# KiCad board lpddr5-testbed.kicad_pcb (continued)
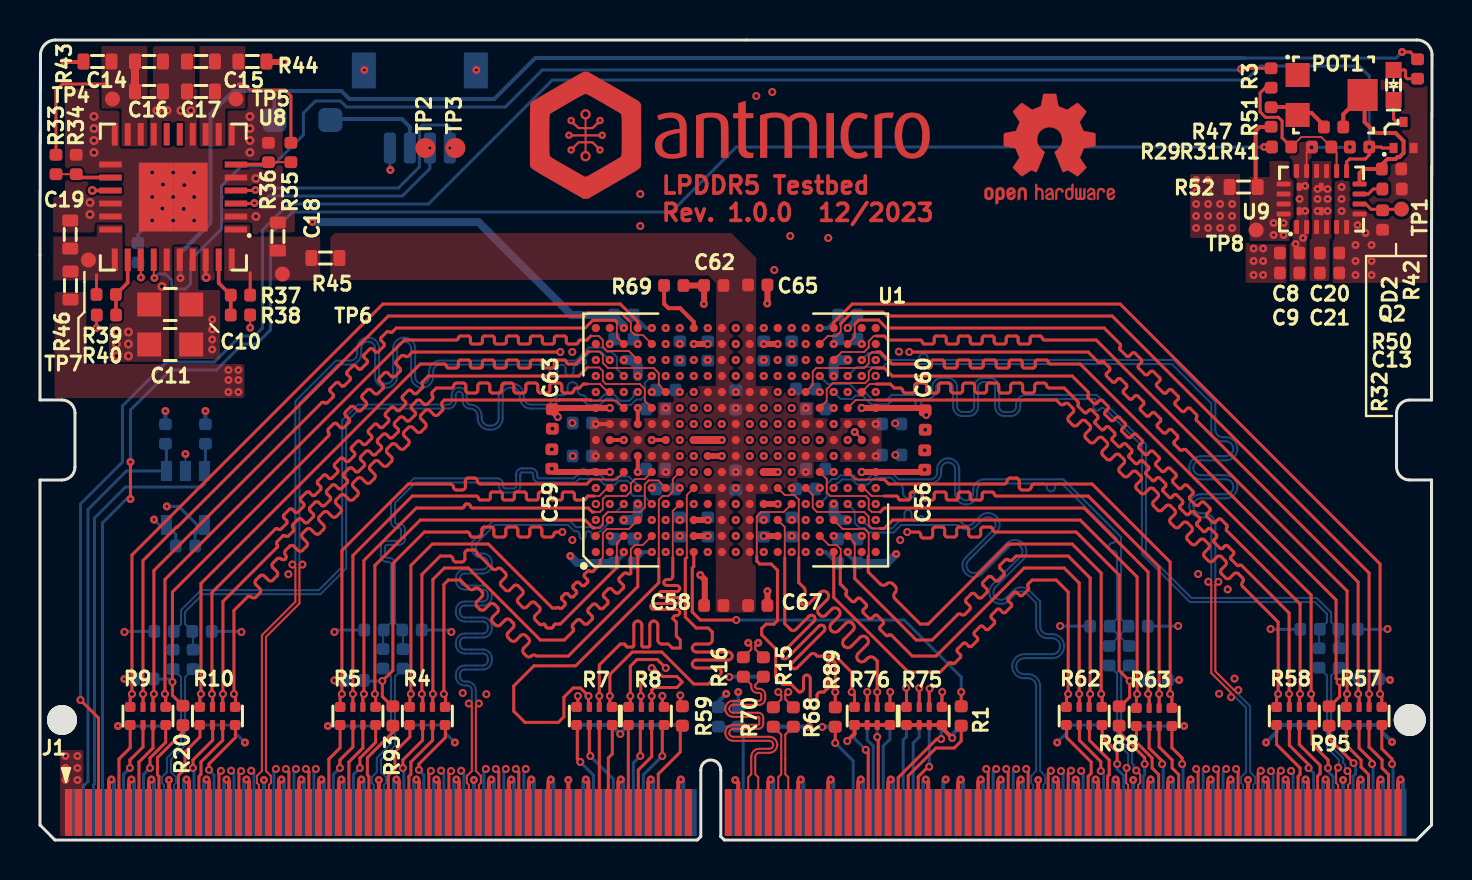
[diagram p0: board, top side]
## Footprints (pads in the part's own frame, mm; a bottom-side part is the same pattern mirrored in y, then rotated) (continued)
LED_0603_1608Metric_G
  rect 0.8x0.8 smd: 1(-0.751,0.001) 2(0.749,0.001)
LGA-33_7x7mm_P0.65mm
  rect 1.125x0.3 smd: 1(-3.138,1.625) 2(-3.138,0.975) 3(-3.138,0.328) 4(-3.138,-0.325) 5(-3.138,-0.972) 6(-3.138,-1.624) 17(3.136,-1.624) 18(3.136,-0.972) 19(3.136,-0.325) 20(3.136,0.328) 21(3.136,0.975) 22(3.136,1.625)
  rect 0.3x1.125 smd: 7(-2.926,-3.136) 8(-2.275,-3.136) 9(-1.625,-3.136) 10(-0.975,-3.136) 11(-0.328,-3.136) 12(0.325,-3.136) 13(0.972,-3.136) 14(1.624,-3.136) 15(2.273,-3.136) 16(2.922,-3.136) 23(2.922,3.138) 24(2.273,3.138) 25(1.624,3.138) 26(0.972,3.138) 27(0.325,3.138) 28(-0.328,3.138) 29(-0.975,3.138) 30(-1.625,3.138) 31(-2.275,3.138) 32(-2.926,3.138)
  rect 1.725x1.725 smd: 33(-0.863,0.863) 33(-0.863,-0.86) 33(0.86,0.863) 33(0.86,-0.86)
QFN-20-4EP_3x4x0.75mm_P0.5mm_Layout4x6_LT3033
  rrect 0.7x0.25 smd: 1(-1.4,1.25) 2(-1.4,0.75) 3(-1.4,0.25) 4(-1.4,-0.25) 5(-1.4,-0.75) 6(-1.4,-1.25) 11(1.4,-1.25) 12(1.4,-0.75) 13(1.4,-0.25) 14(1.4,0.25) 15(1.4,0.75) 16(1.4,1.25)
  rrect 0.25x0.7 smd: 7(-0.75,-1.9) 8(-0.25,-1.9) 9(0.25,-1.9) 10(0.75,-1.9) 17(0.75,1.9) 18(0.25,1.9) 19(-0.25,1.9) 20(-0.75,1.9)
  rrect 0.41x0.25 smd: 21(-0.61,1.12) 22(0.61,1.12) 23(-0.61,0.02) 24(0.61,0.02)
R_0402_1005Metric
  rrect 0.59x0.64 smd: 1(-0.485,0) 2(0.485,0)
R_0603_1608Metric
  rrect 0.6x0.8 smd: 1(-0.7,0) 2(0.7,0)
R_Array_4x0402_Panasonic_EXB28V
  rrect 0.525x0.5 smd: 1(-0.887,-0.45) 4(0.887,-0.45) 5(0.887,0.45) 8(-0.887,0.45)
  rrect 0.25x0.5 smd: 2(-0.25,-0.45) 3(0.25,-0.45) 6(0.25,0.45) 7(-0.25,0.45)
SOT-23-5
  rect 1x0.55 smd: 1(-1.351,0.951) 2(-1.351,0) 3(-1.351,-0.949) 4(1.35,-0.949) 5(1.35,0.951)
SOT-523
  rect 0.4x0.51 smd: 1(-0.5,-0.65) 2(0.498,-0.65) 3(0,0.652)
TP_SMD_0.75mm
  round 0.75 smd: 1(0,0)
TP_SMD_1mm
  round 1 smd: 1(0,0)
Trimpot_3.8mmx3.6mm_TC33X-2-103E
  rect 1.2x1.2 smd: 1(-1,-1.7) 3(0.998,-1.7)
  rect 1.6x1.5 smd: 2(0,1.551)

## Nets
+0V5: C36.2 C37.2 C39.2 C40.2 C42.2 C43.2 C45.2 C46.2 C47.2 C48.2 C49.2 C50.2 R52.1 U1.A3 U1.A13 U1.AA3 U1.AA13 U1.B2 U1.B14 U1.C3 U1.C13 U1.D4 U1.D12 U1.E5 U1.E11 U1.F1 U1.F3 U1.F4 U1.F12 U1.F13 U1.F15 U1.G1 U1.G2 U1.G14 U1.G15 U1.R1 U1.R2 U1.R14 U1.R15 U1.T1 U1.T3 U1.T4 U1.T12 U1.T13 U1.T15 U1.U5 U1.U11 U1.V4 U1.V12 U1.W3 U1.W13 U1.Y2 U1.Y14
+0V9: C51.2 C52.2 C55.2 C56.2 C59.2 C60.2 C63.2 C64.2 R44.1 U1.A6 U1.A10 U1.AA6 U1.AA10 U1.B6 U1.B10 U1.H2 U1.H14 U1.J2 U1.J14 U1.N2 U1.N14 U1.P2 U1.P14 U1.Y6 U1.Y10
+1V1: C8.2 C9.2 R31.2 R41.2 R46.1 U9.1 U9.2 U9.15 U9.16 U9.21 U9.22
+1V05: C53.2 C54.2 C57.2 C58.2 C61.2 C62.2 C65.2 C66.2 C67.2 C68.2 C69.2 C70.2 C76.2 C77.2 R45.1 U1.A7 U1.A8 U1.A9 U1.AA7 U1.AA8 U1.AA9 U1.B7 U1.B9 U1.C7 U1.C9 U1.D8 U1.E7 U1.E9 U1.F6 U1.F7 U1.F9 U1.F10 U1.J5 U1.J11 U1.K1 U1.K2 U1.K3 U1.K4 U1.K5 U1.K6 U1.K10 U1.K11 U1.K12 U1.K13 U1.K14 U1.K15 U1.L6 U1.L7 U1.L8 U1.L9 U1.L10 U1.M1 U1.M2 U1.M3 U1.M4 U1.M5 U1.M6 U1.M10 U1.M11 U1.M12 U1.M13 U1.M14 U1.M15 U1.N5 U1.N11 U1.T6 U1.T7 U1.T9 U1.T10 U1.U7 U1.U9 U1.V8 U1.W7 U1.W9 U1.Y7 U1.Y9
+1V8: C7.2 C35.2 C38.2 C41.2 C44.2 R43.1 U1.C1 U1.C15 U1.W1 U1.W15 U7.4
+5V: C10.2 C11.2 D1.K J1.1 J1.3 R28.1 R42.1 U8.28 U8.29
/Power supply/3.3V_QWIIC: D1.A J3.2
GND: C7.1 C8.1 C9.1 C10.1 C11.1 C12.1 C13.1 C14.1 C15.1 C16.1 C17.1 C18.1 C19.1 C20.1 C21.1 C35.1 C36.1 C37.1 C38.1 C39.1 C40.1 C41.1 C42.1 C43.1 C44.1 C45.1 C46.1 C47.1 C48.1 C49.1 C50.1 C51.1 C52.1 C53.1 C54.1 C55.1 C56.1 C57.1 C58.1 C59.1 C60.1 C61.1 C62.1 C63.1 C64.1 C65.1 C66.1 C67.1 C68.1 C69.1 C70.1 C76.1 C77.1 J1.9 J1.10 J1.13 J1.14 J1.17 J1.18 J1.21 J1.24 J1.25 J1.28 J1.29 J1.32 J1.33 J1.36 J1.37 J1.40 J1.43 J1.44 J1.47 J1.48 J1.51 J1.52 J1.55 J1.56 J1.59 J1.60 J1.63 J1.66 J1.67 J1.70 J1.71 J1.74 J1.75 J1.78 J1.79 J1.82 J1.85 J1.86 J1.89 J1.90 J1.93 J1.94 J1.97 J1.98 J1.101 J1.104 J1.105 J1.111 J1.112 J1.117 J1.118 J1.123 J1.124 J1.129 J1.135 J1.136 J1.141 J1.142 J1.147 J1.148 J1.153 J1.154 J1.159 J1.160 J1.166 J1.167 J1.170 J1.173 J1.174 J1.177 J1.178 J1.181 J1.182 J1.185 J1.186 J1.189 J1.192 J1.193 J1.196 J1.197 J1.200 J1.201 J1.204 J1.205 J1.208 J1.211 J1.212 J1.215 J1.216 J1.219 J1.220 J1.223 J1.224 J1.227 J1.228 J1.231 J1.234 J1.235 J1.238 J1.239 J1.242 J1.243 J1.246 J1.247 J1.250 J1.253 J1.254 J1.257 J1.258 J1.261 J1.262 J3.1 J3.SH1 J3.SH2 Q2.2 R2.1 R18.5 R18.6 R18.7 R18.8 R19.5 R19.6 R19.7 R19.8 R21.5 R21.6 R21.7 R21.8 R22.5 R22.6 R22.7 R22.8 R23.5 R23.6 R23.7 R23.8 R24.5 R24.6 R24.7 R24.8 R25.2 R32.1 R34.2 R36.2 R38.2 R40.2 R48.2 R49.2 R50.1 R53.2 R54.2 R55.2 R69.1 R72.5 R72.6 R72.7 R72.8 R73.5 R73.6 R73.7 R73.8 R75.5 R75.6 R75.7 R75.8 R76.5 R76.6 R76.7 R76.8 R77.5 R77.6 R77.7 R77.8 R78.5 R78.6 R78.7 R78.8 R79.2 R80.2 R81.2 R82.2 R83.2 R84.2 R85.2 R86.2 R91.2 R92.2 R94.2 R96.2 R99.2 U1.A5 U1.A11 U1.AA5 U1.AA11 U1.B4 U1.B8 U1.B12 U1.C5 U1.C8 U1.C11 U1.D2 U1.D6 U1.D7 U1.D9 U1.D10 U1.D14 U1.E1 U1.E3 U1.E8 U1.E13 U1.E15 U1.F2 U1.F8 U1.F14 U1.G3 U1.G5 U1.G7 U1.G9 U1.G11 U1.G13 U1.H3 U1.H4 U1.H6 U1.H8 U1.H10 U1.H12 U1.J1 U1.J3 U1.J7 U1.J8 U1.J10 U1.J12 U1.J13 U1.J15 U1.K7 U1.K8 U1.K9 U1.L1 U1.L2 U1.L3 U1.L4 U1.L5 U1.L11 U1.L12 U1.L13 U1.L14 U1.L15 U1.M7 U1.M8 U1.M9 U1.N1 U1.N3 U1.N4 U1.N6 U1.N8 U1.N9 U1.N10 U1.N12 U1.N13 U1.N15 U1.P4 U1.P6 U1.P8 U1.P10 U1.P12 U1.P13 U1.R3 U1.R5 U1.R7 U1.R9 U1.R11 U1.R13 U1.T2 U1.T8 U1.T14 U1.U1 U1.U3 U1.U8 U1.U13 U1.U15 U1.V2 U1.V6 U1.V7 U1.V9 U1.V10 U1.V14 U1.W5 U1.W8 U1.W11 U1.Y4 U1.Y8 U1.Y12 U7.2 U7.5 U8.2 U8.5 U8.7 U8.10 U8.13 U8.16 U8.17 U8.20 U8.21 U8.27 U8.30 U8.33 U9.5 U9.6 U9.7
/LPDDR5/LPDDR5_A.CA0: R7.6 R21.3 U1.G4
/LPDDR5/LPDDR5_A.CA1: R7.5 R21.4 U1.H5
/LPDDR5/LPDDR5_A.CA2: R8.8 R22.1 U1.G8
/LPDDR5/LPDDR5_A.CA3: R8.7 R22.2 U1.H11
/LPDDR5/LPDDR5_A.CA4: R8.6 R22.3 U1.G10
/LPDDR5/LPDDR5_A.CA5: R8.5 R22.4 U1.H13
/LPDDR5/LPDDR5_A.CA6: R59.2 R86.1 U1.G12
/LPDDR5/LPDDR5_A.CK_N: R15.2 R54.1 U1.J9
/LPDDR5/LPDDR5_A.CK_P: R16.2 R55.1 U1.H9
/LPDDR5/LPDDR5_A.CS0: R7.8 R21.1 U1.H7
/LPDDR5/LPDDR5_A.CS1: R7.7 R21.2 U1.G6
/LPDDR5/LPDDR5_A.DMI0: J1.84 R93.2 R94.1 U1.A4
/LPDDR5/LPDDR5_A.DMI1: J1.42 R20.2 R85.1 U1.A12
/LPDDR5/LPDDR5_A.DQ0: J1.92 R4.5 R18.4 U1.D1
/LPDDR5/LPDDR5_A.DQ1: J1.88 R4.7 R18.2 U1.C2
/LPDDR5/LPDDR5_A.DQ2: J1.91 R4.6 R18.3 U1.E2
/LPDDR5/LPDDR5_A.DQ3: J1.87 R4.8 R18.1 U1.D3
/LPDDR5/LPDDR5_A.DQ4: J1.76 R5.7 R19.2 U1.B5
/LPDDR5/LPDDR5_A.DQ5: J1.73 R5.8 R19.1 U1.C6
/LPDDR5/LPDDR5_A.DQ6: J1.77 R5.6 R19.3 U1.E6
/LPDDR5/LPDDR5_A.DQ7: J1.80 R5.5 R19.4 U1.F5
/LPDDR5/LPDDR5_A.DQ8: J1.31 R9.8 R23.1 U1.D15
/LPDDR5/LPDDR5_A.DQ9: J1.35 R9.6 R23.3 U1.C14
/LPDDR5/LPDDR5_A.DQ10: J1.34 R9.7 R23.2 U1.E14
/LPDDR5/LPDDR5_A.DQ11: J1.38 R9.5 R23.4 U1.D13
/LPDDR5/LPDDR5_A.DQ12: J1.49 R10.6 R24.3 U1.B11
/LPDDR5/LPDDR5_A.DQ13: J1.50 R10.5 R24.4 U1.C10
/LPDDR5/LPDDR5_A.DQ14: J1.46 R10.7 R24.2 U1.E10
/LPDDR5/LPDDR5_A.DQ15: J1.45 R10.8 R24.1 U1.F11
/LPDDR5/LPDDR5_A.RDQS0_N: J1.81 U1.C4
/LPDDR5/LPDDR5_A.RDQS0_P: J1.83 U1.B3
/LPDDR5/LPDDR5_A.RDQS1_N: J1.39 U1.C12
/LPDDR5/LPDDR5_A.RDQS1_P: J1.41 U1.B13
/LPDDR5/LPDDR5_A.WCK0_N: R11.2 R25.1 U1.D5
/LPDDR5/LPDDR5_A.WCK0_P: R12.2 R48.1 U1.E4
/LPDDR5/LPDDR5_A.WCK1_N: R13.2 R49.1 U1.D11
/LPDDR5/LPDDR5_A.WCK1_P: R14.2 R53.1 U1.E12
/LPDDR5/LPDDR5_B.CA0: R60.6 R75.3 U1.R12
/LPDDR5/LPDDR5_B.CA1: R60.5 R75.4 U1.P11
/LPDDR5/LPDDR5_B.CA2: R61.8 R76.1 U1.R8
/LPDDR5/LPDDR5_B.CA3: R61.7 R76.2 U1.P5
/LPDDR5/LPDDR5_B.CA4: R61.6 R76.3 U1.R6
/LPDDR5/LPDDR5_B.CA5: R61.5 R76.4 U1.P3
/LPDDR5/LPDDR5_B.CA6: R89.2 R92.1 U1.R4
/LPDDR5/LPDDR5_B.CK_N: R68.2 R83.1 U1.N7
/LPDDR5/LPDDR5_B.CK_P: R70.2 R84.1 U1.P7
/LPDDR5/LPDDR5_B.CS0: R60.8 R75.1 U1.P9
/LPDDR5/LPDDR5_B.CS1: R60.7 R75.2 U1.R10
/LPDDR5/LPDDR5_B.DMI0: J1.229 R95.2 R96.1 U1.AA12
/LPDDR5/LPDDR5_B.DMI1: J1.187 R88.2 R91.1 U1.AA4
/LPDDR5/LPDDR5_B.DQ0: J1.240 R57.5 R72.4 U1.V15
/LPDDR5/LPDDR5_B.DQ1: J1.236 R57.7 R72.2 U1.W14
/LPDDR5/LPDDR5_B.DQ2: J1.237 R57.6 R72.3 U1.U14
/LPDDR5/LPDDR5_B.DQ3: J1.233 R57.8 R72.1 U1.V13
/LPDDR5/LPDDR5_B.DQ4: J1.222 R58.7 R73.2 U1.Y11
/LPDDR5/LPDDR5_B.DQ5: J1.221 R58.8 R73.1 U1.W10
/LPDDR5/LPDDR5_B.DQ6: J1.225 R58.6 R73.3 U1.U10
/LPDDR5/LPDDR5_B.DQ7: J1.226 R58.5 R73.4 U1.T11
/LPDDR5/LPDDR5_B.DQ8: J1.179 R62.8 R77.1 U1.V1
/LPDDR5/LPDDR5_B.DQ9: J1.183 R62.6 R77.3 U1.W2
/LPDDR5/LPDDR5_B.DQ10: J1.180 R62.7 R77.2 U1.U2
/LPDDR5/LPDDR5_B.DQ11: J1.184 R62.5 R77.4 U1.V3
/LPDDR5/LPDDR5_B.DQ12: J1.195 R63.6 R78.3 U1.Y5
/LPDDR5/LPDDR5_B.DQ13: J1.198 R63.5 R78.4 U1.W6
/LPDDR5/LPDDR5_B.DQ14: J1.194 R63.7 R78.2 U1.U6
/LPDDR5/LPDDR5_B.DQ15: J1.191 R63.8 R78.1 U1.T5
/LPDDR5/LPDDR5_B.RDQS0_N: J1.230 U1.W12
/LPDDR5/LPDDR5_B.RDQS0_P: J1.232 U1.Y13
/LPDDR5/LPDDR5_B.RDQS1_N: J1.188 U1.W4
/LPDDR5/LPDDR5_B.RDQS1_P: J1.190 U1.Y3
/LPDDR5/LPDDR5_B.WCK0_N: R64.2 R79.1 U1.V11
/LPDDR5/LPDDR5_B.WCK0_P: R65.2 R80.1 U1.U12
/LPDDR5/LPDDR5_B.WCK1_N: R66.2 R81.1 U1.V5
/LPDDR5/LPDDR5_B.WCK1_P: R67.2 R82.1 U1.U4
/LPDDR5/~{RESET}: R1.2 R2.2 U1.H1
/Power supply/DCDC_PWRGD: R3.2 U8.26
/Power supply/FB1: R33.1 R34.1 U8.18
/Power supply/FB2: R35.1 R36.1 U8.6
/Power supply/FB3: R37.1 R38.1 U8.31
/Power supply/FB4: R39.1 R40.1 U8.24
/Power supply/I2C.SCL: J3.4 R26.2 TP3.1 U8.4
/Power supply/I2C.SDA: J3.3 R27.2 TP2.1 U8.3
/Power supply/PWR_EN: J1.8 R29.1 U8.19
/Power supply/PWRGD: J1.7 Q2.1 R41.1 U9.11
/Power supply/VOUT: C20.2 C21.2 R51.2 R52.2 TP8.1 U9.3 U9.4 U9.13 U9.14 U9.17 U9.18 U9.19 U9.20 U9.23 U9.24
/Power supply/VOUT1: C14.2 C16.2 R33.2 R43.2 TP4.1 U8.14 U8.15
/Power supply/VOUT2: C15.2 C17.2 R35.2 R44.2 TP5.1 U8.8 U8.9
/Power supply/VOUT3: C18.2 R37.2 R45.2 TP6.1 U8.1 U8.32
/Power supply/VOUT4: C19.2 R39.2 R46.2 TP7.1 U8.22 U8.23
/SODIMM/HSCL: J1.4 R26.1 U7.1
/SODIMM/HSDA: J1.6 R27.1 U7.3
/SODIMM/LPDDR5_IN_A.CA0: J1.107 R7.3
/SODIMM/LPDDR5_IN_A.CA1: J1.109 R7.4
/SODIMM/LPDDR5_IN_A.CA2: J1.113 R8.1
/SODIMM/LPDDR5_IN_A.CA3: J1.114 R8.2
/SODIMM/LPDDR5_IN_A.CA4: J1.115 R8.3
/SODIMM/LPDDR5_IN_A.CA5: J1.116 R8.4
/SODIMM/LPDDR5_IN_A.CA6: J1.119 R59.1
/SODIMM/LPDDR5_IN_A.CK_N: J1.133 R15.1
/SODIMM/LPDDR5_IN_A.CK_P: J1.131 R16.1
/SODIMM/LPDDR5_IN_A.CS0: J1.106 R7.1
/SODIMM/LPDDR5_IN_A.CS1: J1.110 R7.2
/SODIMM/LPDDR5_IN_A.DMI0: J1.61 R93.1
/SODIMM/LPDDR5_IN_A.DMI1: J1.19 R20.1
/SODIMM/LPDDR5_IN_A.DQ0: J1.72 R4.4
/SODIMM/LPDDR5_IN_A.DQ1: J1.68 R4.2
/SODIMM/LPDDR5_IN_A.DQ2: J1.69 R4.3
/SODIMM/LPDDR5_IN_A.DQ3: J1.65 R4.1
/SODIMM/LPDDR5_IN_A.DQ4: J1.54 R5.2
/SODIMM/LPDDR5_IN_A.DQ5: J1.53 R5.1
/SODIMM/LPDDR5_IN_A.DQ6: J1.57 R5.3
/SODIMM/LPDDR5_IN_A.DQ7: J1.58 R5.4
/SODIMM/LPDDR5_IN_A.DQ8: J1.11 R9.1
/SODIMM/LPDDR5_IN_A.DQ9: J1.15 R9.3
/SODIMM/LPDDR5_IN_A.DQ10: J1.12 R9.2
/SODIMM/LPDDR5_IN_A.DQ11: J1.16 R9.4
/SODIMM/LPDDR5_IN_A.DQ12: J1.27 R10.3
/SODIMM/LPDDR5_IN_A.DQ13: J1.30 R10.4
/SODIMM/LPDDR5_IN_A.DQ14: J1.26 R10.2
/SODIMM/LPDDR5_IN_A.DQ15: J1.23 R10.1
/SODIMM/LPDDR5_IN_A.WCK0_N: J1.62 R11.1
/SODIMM/LPDDR5_IN_A.WCK0_P: J1.64 R12.1
/SODIMM/LPDDR5_IN_A.WCK1_N: J1.20 R13.1
/SODIMM/LPDDR5_IN_A.WCK1_P: J1.22 R14.1
/SODIMM/LPDDR5_IN_B.CA0: J1.164 R60.3
/SODIMM/LPDDR5_IN_B.CA1: J1.162 R60.4
/SODIMM/LPDDR5_IN_B.CA2: J1.158 R61.1
/SODIMM/LPDDR5_IN_B.CA3: J1.157 R61.2
/SODIMM/LPDDR5_IN_B.CA4: J1.156 R61.3
/SODIMM/LPDDR5_IN_B.CA5: J1.155 R61.4
/SODIMM/LPDDR5_IN_B.CA6: J1.152 R89.1
/SODIMM/LPDDR5_IN_B.CK_N: J1.139 R68.1
/SODIMM/LPDDR5_IN_B.CK_P: J1.137 R70.1
/SODIMM/LPDDR5_IN_B.CS0: J1.161 R60.1
/SODIMM/LPDDR5_IN_B.CS1: J1.165 R60.2
/SODIMM/LPDDR5_IN_B.DMI0: J1.252 R95.1
/SODIMM/LPDDR5_IN_B.DMI1: J1.210 R88.1
/SODIMM/LPDDR5_IN_B.DQ0: J1.260 R57.4
/SODIMM/LPDDR5_IN_B.DQ1: J1.256 R57.2
/SODIMM/LPDDR5_IN_B.DQ2: J1.259 R57.3
/SODIMM/LPDDR5_IN_B.DQ3: J1.255 R57.1
/SODIMM/LPDDR5_IN_B.DQ4: J1.244 R58.2
/SODIMM/LPDDR5_IN_B.DQ5: J1.241 R58.1
/SODIMM/LPDDR5_IN_B.DQ6: J1.245 R58.3
/SODIMM/LPDDR5_IN_B.DQ7: J1.248 R58.4
/SODIMM/LPDDR5_IN_B.DQ8: J1.199 R62.1
/SODIMM/LPDDR5_IN_B.DQ9: J1.203 R62.3
/SODIMM/LPDDR5_IN_B.DQ10: J1.202 R62.2
/SODIMM/LPDDR5_IN_B.DQ11: J1.206 R62.4
/SODIMM/LPDDR5_IN_B.DQ12: J1.217 R63.3
/SODIMM/LPDDR5_IN_B.DQ13: J1.218 R63.4
/SODIMM/LPDDR5_IN_B.DQ14: J1.214 R63.2
/SODIMM/LPDDR5_IN_B.DQ15: J1.213 R63.1
/SODIMM/LPDDR5_IN_B.WCK0_N: J1.249 R64.1
/SODIMM/LPDDR5_IN_B.WCK0_P: J1.251 R65.1
/SODIMM/LPDDR5_IN_B.WCK1_N: J1.207 R66.1
/SODIMM/LPDDR5_IN_B.WCK1_P: J1.209 R67.1
/SODIMM/~{RESET}: J1.163 R1.1
Net-(C12-Pad2): C12.2 U8.25
Net-(C13-Pad2): C13.2 U9.9
Net-(D2-Pad1): D2.1 R42.2
Net-(D2-Pad2): D2.2 Q2.3
Net-(J1-Pad130): J1.130 R28.2 R99.1
Net-(POT1-Pad2): POT1.2 R47.1 R50.2 U9.10
Net-(POT1-Pad3): POT1.3 R47.2 R51.1
Net-(R29-Pad2): R3.1 R29.2 R31.1 U9.12
Net-(R32-Pad2): R32.2 TP1.1 U9.8
Net-(R69-Pad2): R69.2 U1.H15

Pads without a net: J1 2 5 95 96 99 100 102 103 108 120 121 122 125 126 127 128 132 134 138 140 143 144 145 146 149 150 151 168 169 171 172 175 176; POT1 1; U1 A1 A2 A14 A15 AA1 AA2 AA14 AA15 B1 B15 J4 J6 P1 P15 Y1 Y15; U8 11 12

## Via types
v1: diameter 0.4, hole 0.15, Top to Bottom, 352 vias
v2: diameter 0.4, hole 0.2, Top to Bottom, 200 vias
v3: diameter 0.45, hole 0.2, Top to Bottom, 38 vias

## Routing (per net, layer and track width the routed paths; a pad name or vN(x,y) marks a point on that pad's centre or on a via; arc(x,y) is an arc through that point)
+0V5: length 9.7
  In3.Cu w0.3: v1(41.8,24) 41.8,24.1 v1(41.1,24.8) ; v1(28.5,24.8) 27.8,24.1 v1(27.8,24) ; v1(27.8,16) 27.8,15.9 v1(28.5,15.2) ; v1(41.8,16) 41.8,15.9 v1(41.1,15.2)
  Bottom w0.5: v1(39.7,16.8) 39.7,16.3 40,16 40.35,16 ; v1(29.9,16.8) 29.9,16.2 29.7,16 v1(29.2,16) ; v1(39.7,23.2) 39.7,23.8 39.9,24 v1(40.4,24) ; 29.25,24 29.6,24 29.9,23.7 v1(29.9,23.2)
  vias: v1(29.2,24) v1(30.6,22.4) v1(30.6,17.6) v1(31.3,25.6) v1(31.3,24) v1(31.3,23.2) v1(31.3,16.8) v1(31.3,16) v1(31.3,14.4) v1(32,25.6) v1(32,24.8) v1(32,15.2) v1(32,14.4) v1(37.6,25.6) v1(37.6,24.8) v1(37.6,15.2) v1(37.6,14.4) v1(38.3,25.6) v1(38.3,24) v1(38.3,23.2) v1(38.3,16.8) v1(38.3,16) v1(38.3,14.4) v1(39,22.4) v1(39,17.6) v1(40.4,16) v1(57.83,33) v1(57.83,32.4) v1(57.83,31.8) v1(57.83,31.2) v1(57.83,30.6) v1(58.43,33) v1(58.43,32.4) v1(58.43,31.8) v1(58.43,31.2) v1(58.43,30.6) v1(59.03,31.8) v1(59.03,31.2) v1(59.03,30.6) v1(59.62,31.8) v1(59.62,31.2) v1(59.62,30.6)
+0V9: length 16.6
  Top w0.3: 42.68,18.4 44.13,18.4 v2(44.25,18.52) ; 42.68,18.4 42.8,18.4 ; 42.68,18.4 U1.AA6 v2(41.1,18.4) ; v2(28.5,21.6) U1.A10 25.69,21.6 C63.2 25.62,21.42 v2(25.9,21.15) ; v2(25.6,18.57) 25.77,18.4 U1.A6 v2(28.5,18.4) ; v2(41.1,21.6) U1.AA10 44.16,21.6 C60.2 ; R44.1 11.35,38.9 v1(12.23,38.9) ; U1.P2 v2(36.2,15.2) ; v1(36.9,24.8) v1(36.2,24.8) ; U1.H2 v1(33.4,15.2) ; v1(32.7,24.8) v2(33.4,24.8)
  vias: v2(44.33,21.25)
+1V1: length 3.2
  Top w0.09: U9.15 63.35,34.39 v2(63.59,34.63) R31.2
  Bottom w0.15: v2(65.52,34.65) 65.5,34.63 v2(63.59,34.63)
  vias: v1(9.43,23.5) v1(9.43,23) v1(9.43,22.4) v1(9.93,23.5) v1(9.93,23) v1(9.93,22.4) v1(62.8,29.8) v1(63,32.05) v1(63.28,32.7) v1(63.28,31.45) v1(63.18,30.1)
+1V05: length 2.2
  Top w0.2: v1(27.8,20.8) U1.B9
  Bottom w0.2: 27.48,20.8 v1(27.8,20.8) 27.75,20.85 27.48,20.85 ; v1(27.8,19.2) C76.2 ; v1(41.8,19.2) 42.12,19.2 ; v1(41.8,20.8) 42.12,20.8
  vias: v1(31.3,21.6) v1(31.3,18.4) v1(34.8,21.6) v1(34.8,18.4) v1(38.3,21.6) v1(38.3,18.4)
+1V8: length 107.5
  Top w0.2: R43.1 2.15,38.9 v1(1.23,38.9)
  In2.Cu w0.2: v1(13.62,30.9) 11.23,30.9 9.12,28.8 9.12,24.3 8.73,23.9 8.73,19.06 v1(6.34,16.68)
  In2.Cu w0.4: v1(1.23,38.9) 4.93,35.2 7.33,35.2 8.68,33.85 11.58,33.85 13.62,31.8 v1(13.62,30.9) ; v1(42.83,14.3) 43.33,14.3 44.95,15.92 44.95,23.67 43.03,25.6 v2(40.4,25.6) 39.8,26.2 29.8,26.2 v1(29.2,25.6) 26.03,25.6 25.03,24.6 25.03,15.4 26.23,14.2 v1(26.53,14.2)
  Bottom w0.15: v1(6.34,16.68) 6.95,16.68 7.88,15.75 U7.4 7.76,15.28 C7.2
  Bottom w0.2: v1(29.2,14.4) 29.2,14.28 28.72,13.8 ; 40.88,13.8 40.4,14.28 v1(40.4,14.4)
  Bottom w0.3: C41.2 40.88,26.08 v2(40.4,25.6)
  Bottom w0.4: v1(13.62,30.9) 21.93,30.9 26.58,26.25 C38.2 ; C35.2 26.88,13.85 v1(26.53,14.2) ; C44.2 42.38,13.85 v1(42.83,14.3) ; 28.72,26.2 29.2,25.72 v1(29.2,25.6)
+5V: length 110.8
  Top w0.15: v1(68.12,39.4) 68.53,39.4 R42.1
  In2.Cu w0.15: v1(34.93,7.4) 32.43,4.9 32.43,2.87 31.58,2.02 2.86,2.02 v1(1.88,3)
  Bottom w0.15: 60.22,39.1 67.83,39.1 v1(68.12,39.4) ; v1(34.93,7.4) R28.1
  Bottom w0.2: 11.98,37.45 11.88,37.45 11.72,37.3 ; 11.98,37.45 11.78,37.45 ; 11.98,37.45 15.08,37.45 15.48,37.05 22.73,37.05 24.78,39.1 60.22,39.1 ; D1.K 11.72,37.3 ; 11.72,37.3 11.57,37.45 11.38,37.45 ; 11.72,37.3 11.72,37.4 11.78,37.45 ; 11.78,37.45 11.38,37.45 ; v1(7.03,28.1) 7.03,29.35 8.53,30.85 8.53,36.3 9.68,37.45 11.38,37.45
  vias: v1(1.28,4.2) v1(1.28,3.6) v1(1.28,3) v1(1.88,4.2) v1(1.88,3.6) v1(8.61,26.03) v1(8.61,25.53) v1(8.61,25.03) v1(8.61,24.53)
/Power supply/3.3V_QWIIC: length 5.2
  Bottom w0.2: D1.A 14.57,36.05 18.1,36.05 18.5,35.65 J3.2
GND: length 267.5
  Top w0.09: v1(10.51,25.61) 10.51,26.25
  Top w0.1: U1.Y8 41.1,20.05 v1(40.75,20.4)
  Top w0.15: 2.83,26.28 2.83,25.6 v1(2.83,25.6)
  Top w0.182: U8.30 8.29,28.15 v3(8.31,28.12)
  Top w0.2: v1(3.58,3.03) 3.45,2.9 3.45,1.38 ; v1(66.05,3.03) 65.93,2.9 J1.253 ; U1.D7 v1(29.9,18.4) ; v1(30.55,3.03) 30.43,2.9 J1.117 ; v1(19.83,3.03) 19.95,2.9 19.95,1.38 ; J1.111 28.93,2.9 v1(29.05,3.03) ; v1(4.58,3.03) 4.45,2.9 4.45,1.38 ; 24.45,1.38 24.45,2.9 v1(24.58,3.03) ; v1(18.83,3.03) 18.95,2.9 18.95,1.38 ; v1(8.33,3.03) 8.45,2.9 8.45,1.38 ; 9.45,1.38 9.45,2.9 v1(9.33,3.03) ; v1(59.55,3.03) 59.43,2.9 J1.227 ; 22.45,1.38 22.45,2.9 v1(22.58,3.03) ; v1(53.8,3.03) 53.93,2.9 J1.205 ; 15.95,1.38 15.95,2.9 v1(16.08,3.03) ; R76.8 R76.5 40.74,5.31 v2(40.38,4.95) ; v1(17.83,3.03) 17.95,2.9 17.95,1.38 ; J1.101 v1(26.43,3) ; 11.95,1.38 11.95,2.9 v1(12.08,3.03) ; v1(48.05,3.03) 47.93,2.9 J1.181 ; v1(34.78,3) 34.93,2.85 J1.129 ; J1.223 58.43,2.9 v1(58.55,3.03) ; 14.95,1.38 14.95,2.9 v1(15.08,3.03) ; v1(61.3,3.03) 61.43,2.9 J1.235 ; v1(20.83,3.03) 20.95,2.9 20.95,1.38 ; 42.43,2.9 J1.159 ; v1(36.55,3.03) 36.43,2.9 J1.135 ; v1(29.9,21.6) U1.D9 ; J1.167 44.43,2.9 v1(44.3,3.03) ; v1(68.05,3.03) 67.93,2.9 J1.261 ; 25.43,2.9 J1.97 ; J1.193 50.93,2.9 v1(50.8,3.03) ; J1.177 46.93,2.9 v1(47.05,3.03) ; J1.231 v1(60.43,3) ; J1.153 40.93,2.9 v1(41.05,3.03) ; v1(62.3,3.03) 62.43,2.9 J1.239 ; v1(27.3,3.03) 27.43,2.9 J1.105 ; 23.45,1.38 23.45,2.9 v1(23.58,3.03) ; 10.45,1.38 10.45,2.9 v1(10.33,3.03) ; v1(57.55,3.03) 57.43,2.9 J1.219 ; v1(64.3,3.03) 64.43,2.9 J1.247 ; J1.243 63.43,2.9 v1(63.3,3.03) ; 5.45,1.38 5.45,2.9 v1(5.58,3.03) ; 16.95,1.38 v1(16.95,3) ; U1.F8 v1(30.6,20) ; v1(38.05,3.03) 37.93,2.9 J1.141 ; J1.189 v1(49.93,3) ; J1.123 31.93,2.9 v1(32.05,3.03) ; J1.257 66.93,2.9 v1(67.05,3.03) ; 13.95,1.38 13.95,2.9 v1(14.08,3.03) ; v1(56.55,3.03) 56.43,2.9 J1.215 ; v2(45.62,5.1) 45.11,5.61 R75.8 R75.5 ; 6.45,1.38 v1(6.45,3) ; v1(39.55,3.03) 39.43,2.9 J1.147 ; J1.197 51.93,2.9 v1(51.8,3.03) ; v1(49.05,3.03) 48.93,2.9 J1.185 ; U1.B8 v1(29.2,20) ; 12.95,1.38 12.95,2.9 v1(13.08,3.03) ; 7.45,1.38 7.45,2.9 v1(7.33,3.03) ; J1.211 55.43,2.9 v1(55.55,3.03) ; v1(52.8,3.03) 52.93,2.9 J1.201 ; 45.93,2.9 J1.173
  Top w0.3: v1(33.2,26.8) 33.22,26.82 C62.1 R69.1 ; v1(36.38,12.44) C67.1 ; 36.38,27.45 36.38,26.83 v1(36.38,26.83) ; v1(34.1,19.2) U1.J7 ; U1.H3 v1(33.4,16) ; v1(36.9,16.8) U1.N4 ; C58.1 33.25,11.76 33.25,13.03 v1(33.03,13.25)
  Top w0.4: v1(36.9,18.4) U1.N6 ; v1(34.1,20) U1.H8
  Bottom w0.09: U7.2 v1(7.28,19.3)
  Bottom w0.15: R25.2 14.83,10.5 v2(14.73,10.4) ; v2(4.23,10.4) 4.26,10.43 R49.2 ; J3.SH1 16.2,38.48 v1(16.23,38.5) ; 65.91,10.53 67.38,10.53 v2(67.4,10.55) ; v1(3.9,5.7) 6.33,5.7 ; v3(5.61,30.97) 4.9,30.26 4.9,29.84 ; 8.01,5.75 9.79,5.75 9.79,5.34 v1(10.25,4.88) ; v1(20.75,4.88) 20.29,5.34 20.29,5.75 18.51,5.75 ; R79.2 61.57,10.53 v2(61.55,10.55) ; v1(50.88,4.88) 51.34,5.34 R77.8 R77.5 ; v2(10.07,10.4) 10.04,10.43 R53.2 ; v2(56.93,10.7) 56.91,10.69 55.41,10.69 ; v1(5.71,16.02) 5.98,15.75 U7.5 6.79,15.28 C7.1 ; v1(21.83,38.5) 21.8,38.48 J3.SH2 ; v2(51.03,10.7) 51.03,10.69 R81.2 ; v1(14.4,5.7) 16.83,5.7 ; v1(57.22,5.7) 54.8,5.7 ; R48.2 20.47,10.5 v2(20.57,10.4) ; 56.41,8 v1(56.97,8) ; v1(17.53,33.5) 17.5,33.53 J3.1 ; R94.2 v2(14.73,7.98)
  Bottom w0.2: 11.2,1.38 v1(11.2,3) ; 29.68,26.2 29.7,26.2 30.3,25.6 v1(30.6,25.6) ; 3.7,1.38 3.7,2.9 v1(3.58,3.03) ; v1(24.58,3.03) 24.7,2.9 24.7,1.38 ; v1(30.6,14.4) 30.2,14.4 29.68,13.88 ; v1(36.55,3.03) 36.68,2.9 J1.136 ; v1(68.05,3.03) 68.18,2.9 J1.262 ; 8.2,1.38 8.2,2.9 v1(8.33,3.03) ; J1.170 45.18,2.9 v1(45.3,3.03) ; v1(29.9,18.4) 30,18.5 30.32,18.5 ; v1(29.9,21.6) 30,21.5 30.32,21.5 ; v1(39.7,18.4) 39.6,18.5 39.28,18.5 ; v1(59.55,3.03) 59.68,2.9 J1.228 ; v1(62.3,3.03) 62.18,2.9 J1.238 ; 4.7,1.38 4.7,2.9 v1(4.58,3.03) ; 13.2,1.38 13.2,2.9 v1(13.08,3.03) ; v1(37.6,17.6) 37.7,17.5 37.82,17.5 ; v1(12.08,3.03) 12.2,2.9 12.2,1.38 ; v1(9.33,3.03) 9.2,2.9 9.2,1.38 ; R84.2 R83.2 38.46,5.67 v2(38.47,5.65) ; v1(67.62,4.9) 67.11,5.41 R72.5 R72.8 ; v1(66.05,3.03) 66.18,2.9 J1.254 ; v1(39,25.6) 39.4,25.6 39.92,26.12 39.92,26.2 ; v1(52.8,3.03) 52.68,2.9 J1.200 ; v1(39.7,21.6) 39.6,21.5 39.28,21.5 ; R96.2 67.47,8.05 v1(67.53,8) ; J1.142 38.18,2.9 v1(38.05,3.03) ; 37.82,22.5 37.7,22.5 v1(37.6,22.4) ; v1(32.05,3.03) 32.18,2.9 J1.124 ; 18.7,1.38 18.7,2.9 v1(18.83,3.03) ; v1(50.8,3.03) 50.68,2.9 J1.192 ; 17.7,1.38 17.7,2.9 v1(17.83,3.03) ; J1.166 44.18,2.9 v1(44.3,3.03) ; v1(39.55,3.03) 39.68,2.9 J1.148 ; R2.1 45.62,5.27 v2(45.62,5.1) ; 23.7,1.38 23.7,2.9 v1(23.58,3.03) ; v1(58.55,3.03) 58.68,2.9 J1.224 ; J1.112 29.18,2.9 v1(29.05,3.03) ; J1.118 30.68,2.9 v1(30.55,3.03) ; 46.18,2.9 J1.174 ; C42.1 31.9,22.5 v1(32,22.4) ; J1.216 56.68,2.9 v1(56.55,3.03) ; 7.2,1.38 7.2,2.9 v1(7.33,3.03) ; v1(61.33,4.88) 61.85,5.4 61.85,5.75 R73.5 ; J1.186 49.18,2.9 v1(49.05,3.03) ; v1(32,17.6) 31.9,17.5 31.78,17.5 ; v1(47.05,3.03) 47.18,2.9 J1.178 ; 14.2,1.38 14.2,2.9 v1(14.08,3.03) ; 10.2,1.38 10.2,2.9 v1(10.33,3.03) ; 39.92,13.8 39.9,13.8 39.3,14.4 v1(39,14.4) ; v1(5.58,3.03) 5.7,2.9 5.7,1.38 ; 25.68,2.9 J1.98 ; v1(64.3,3.03) 64.18,2.9 J1.246 ; J1.212 55.68,2.9 v1(55.55,3.03) ; v2(34.47,8.15) 34.49,8.17 R55.2 R54.2 ; 20.7,1.38 20.7,2.9 v1(20.83,3.03) ; R99.2 33.93,6.92 v1(34.32,7.31) ; 15.2,1.38 15.2,2.9 v1(15.08,3.03) ; R92.2 39.14,5.67 v2(39.12,5.65) ; 22.7,1.38 22.7,2.9 v1(22.58,3.03) ; J1.104 27.18,2.9 v1(27.3,3.03) ; J1.258 67.18,2.9 v1(67.05,3.03) ; R86.2 32.09,5.75 R22.8 29.03,5.34 v2(29.03,5.3) 28.61,5.71 R21.5 R21.8 ; v1(41.05,3.03) 41.18,2.9 J1.154 ; v1(19.83,3.03) 19.7,2.9 19.7,1.38 ; J1.234 61.18,2.9 v1(61.3,3.03) ; J1.250 v1(65.18,3) ; 16.2,1.38 16.2,2.9 v1(16.08,3.03) ; J1.242 63.18,2.9 v1(63.3,3.03) ; 42.68,2.9 J1.160 ; J1.204 53.68,2.9 v1(53.8,3.03) ; v1(57.55,3.03) 57.68,2.9 J1.220 ; v1(4.23,8.05) 4.67,8.05 ; J1.196 51.68,2.9 v1(51.8,3.03) ; J1.182 48.18,2.9 v1(48.05,3.03) ; J1.208 v1(54.68,3) ; 21.7,1.38 v1(21.7,3)
  vias: v1(25.55,3.03) v1(27.8,22.4) v1(27.8,17.6) v1(28.5,23.2) v1(28.5,16.8) v1(29.2,22.4) v1(29.2,17.6) v1(29.9,24.8) v1(29.9,15.2) v1(30.6,24) v1(30.6,16) v1(31.3,24.8) v1(31.3,15.2) v1(32,24) v1(32,20.8) v1(32,19.2) v1(32,16) v1(32.7,23.2) v1(32.7,21.6) v1(32.7,18.4) v1(32.7,16.8) v1(33.4,25.6) v1(33.4,24) v1(33.4,23.2) v1(33.4,21.6) v1(33.4,14.4) v1(34.1,20.8) v1(34.8,25.6) v1(34.8,24.8) v1(34.8,24) v1(34.8,23.2) v1(34.8,22.4) v1(34.8,17.6) v1(34.8,16.8) v1(34.8,16) v1(34.8,15.2) v1(34.8,14.4) v1(35.5,20.8) v1(35.5,20) v1(35.5,19.2) v1(36.2,25.6) v1(36.2,24) v1(36.2,23.2) v1(36.2,21.6) v1(36.2,20.8) v1(36.2,20) v1(36.2,16) v1(36.2,14.4) v1(36.9,24) v1(36.9,23.2) v1(36.9,21.6) v1(36.9,20) v1(37.6,24) v1(37.6,20.8) v1(37.6,19.2) v1(37.6,16) v1(38.3,24.8) v1(38.3,20) v1(38.3,15.2) v1(39,24) v1(39,20) v1(39,16) v1(39.7,24.8) v1(39.7,20.8) v1(39.7,19.2) v1(39.7,15.2) v1(40.4,22.4) v1(40.4,20) v1(40.4,17.6) v1(41.1,23.2) v1(41.1,16.8) v1(41.8,22.4) v1(41.8,17.6) v1(42.55,3.03) v1(46.05,3.03) v1(60.7,29.58) v1(60.7,28.95) v1(60.7,28.25) v1(61.18,29.58) v1(61.18,28.95) v1(61.18,28.25) v1(65.1,32.65) v1(65.1,32.05) v1(65.1,31.45) v1(65.8,29.75) v1(65.8,28.95) v1(65.8,28.25) v1(65.9,30.75) v1(66.3,30.35) v1(66.6,29.75) v1(66.6,28.95) v1(66.6,28.25) v2(12.42,13.29) v2(21.15,7.35) v2(22.33,7.29) v2(25.62,20.57) v2(25.6,19.53) v2(26.62,24.4) v2(26.62,20.85) v2(26.65,19.2) v2(26.62,15) v2(30.03,32.3) v2(30.03,30.7) v2(35.83,37.2) v2(36.62,37.4) v2(36.72,28.5) v2(37.53,30.2) v2(39.43,30.1) v2(42.78,20.83) v2(42.78,19.25) v2(42.96,24.42) v2(43.03,15) v2(44.28,20.52) v2(44.25,19.48) v2(57.93,13.3) v2(58.97,7.31) v2(59.41,12.53) v2(59.75,8.07) v3(2.5,31.88) v3(2.5,31.28) v3(2.7,36.17) v3(2.7,35.58) v3(2.7,34.97) v3(2.7,34.38) v3(3.83,25.4) v3(3.83,24.8) v3(3.83,24.2) v3(4.43,25.4) v3(4.43,24.8) v3(4.43,24.2) v3(5.61,33.38) v3(5.61,32.15) v3(5.85,36.48) v3(6.15,32.78) v3(6.12,31.58) v3(6.1,27.67) v3(6.35,36.48) v3(6.66,33.38) v3(6.66,32.15) v3(6.66,30.97) v3(7.05,36.48) v3(7.22,32.75) v3(7.19,31.56) v3(7.55,36.48) v3(7.71,33.38) v3(7.71,32.15) v3(7.71,30.97) v3(10.5,36.17) v3(10.5,35.58) v3(10.5,34.97) v3(10.5,34.38) v3(10.8,33.08) v3(10.8,31.17)
/LPDDR5/LPDDR5_A.CA0: length 25
  Top w0.09: U1.G4 31.65,16.45 31.65,14.12
  Top w0.15: R7.6 v2(27.98,7.2) 27.98,8.75 29.03,9.8 29.22,9.8 arc(29.28,9.78) 29.3,9.72 arc(29.32,9.67) 29.38,9.65 29.62,9.65 arc(29.68,9.67) 29.7,9.72 29.7,10.75 arc(29.76,10.89) 29.9,10.95 arc(30.04,10.89) 30.1,10.75 30.1,9.72 arc(30.12,9.67) 30.18,9.65 30.43,9.65 arc(30.48,9.67) 30.5,9.72 30.5,10.75 arc(30.56,10.89) 30.7,10.95 arc(30.84,10.89) 30.9,10.75 30.9,10 arc(30.96,9.86) 31.1,9.8 31.43,9.8 31.62,9.6 32.03,9.6 32.03,10 31.83,10.2 31.83,10.9 31.65,11.08 arc(31.69,11.18) 31.8,11.22 31.85,11.22 arc(31.96,11.27) 32,11.38 arc(31.96,11.48) 31.85,11.53 30.7,11.53 arc(30.59,11.57) 30.55,11.67 arc(30.59,11.78) 30.7,11.83 31.85,11.83 arc(31.96,11.87) 32,11.97 arc(31.96,12.08) 31.85,12.12 31.1,12.12 arc(30.99,12.17) 30.95,12.28 arc(30.99,12.38) 31.1,12.42 31.85,12.42 arc(31.96,12.47) 32,12.58 arc(31.96,12.68) 31.85,12.72 31.35,12.72 arc(31.24,12.77) 31.2,12.88 arc(31.24,12.98) 31.35,13.03 31.5,13.03 arc(31.61,13.07) 31.65,13.17 31.65,14.12
  Bottom w0.15: 27.98,6.65 v2(27.98,7.2)
/LPDDR5/LPDDR5_A.CA1: length 25.3
  Top w0.09: 32.33,14.1 32.35,14.12 32.35,17.25 U1.H5
  Top w0.15: 32.35,14.12 32.28,14.05 32.28,11.15 32.83,10.6 33.43,10.6 33.62,10.4 33.62,10 arc(33.57,9.86) 33.43,9.8 32.83,9.8 arc(32.68,9.74) 32.62,9.6 arc(32.68,9.46) 32.83,9.4 34.43,9.4 arc(34.57,9.34) 34.62,9.2 arc(34.57,9.06) 34.43,9 32.83,9 arc(32.68,8.94) 32.62,8.8 arc(32.68,8.66) 32.83,8.6 33.88,8.6 arc(34.02,8.54) 34.08,8.4 arc(34.02,8.26) 33.88,8.2 33.83,8.2 arc(33.68,8.14) 33.62,8 33.43,7.8 32.7,7.8 31.1,9.4 29.62,9.4 28.5,8.28 v2(28.5,7.2) 28.5,6.65
  Bottom w0.15: 28.5,6.65 v2(28.5,7.2)
/LPDDR5/LPDDR5_A.CA2: length 23.5
  Top w0.15: 29.52,6.65 29.53,6.65 v2(29.53,7.2) 29.53,8.69 29.86,9.02 30.88,9.02 v2(31.3,8.6)
  In3.Cu w0.09: v1(32,20) 31.66,19.66 31.66,14.19 31.68,14.17
  In3.Cu w0.15: v2(31.3,8.6) 32.4,7.5 32.4,6.52 32.72,6.2 33.34,6.2 33.59,6.46 33.59,8.49 33.84,8.74 33.84,11.63 33.12,12.36 32.78,12.36 32.18,12.97 32.18,13.54 31.68,14.04 31.68,14.17
  Bottom w0.15: 29.53,6.65 v2(29.53,7.2)
/LPDDR5/LPDDR5_A.CA3: length 22.7
  Top w0.15: 30.06,6.65 v2(30.06,7.2) 30.05,7.2 v2(30.05,8.17)
  In3.Cu w0.09: 30.25,14.19 30.25,21.23 31.08,22.05 32.35,22.05 v1(32.7,22.4)
  In3.Cu w0.15: v2(30.05,8.17) 30.27,8.39 30.22,8.44 30.22,8.79 31.25,9.81 31.25,10.29 31.22,10.31 31.08,10.31 arc(30.9,10.38) 30.83,10.56 arc(30.9,10.74) 31.08,10.81 32.28,10.81 arc(32.45,10.88) 32.53,11.06 arc(32.45,11.24) 32.28,11.31 31.08,11.31 arc(30.9,11.38) 30.83,11.56 arc(30.9,11.74) 31.08,11.81 31.21,11.81 31.44,12.04 31.44,12.85 30.25,14.03 30.25,14.19
  Bottom w0.15: 30.06,6.65 v2(30.06,7.2)
